# KiCad board FPGA_DevBoard.kicad_pcb (continued)
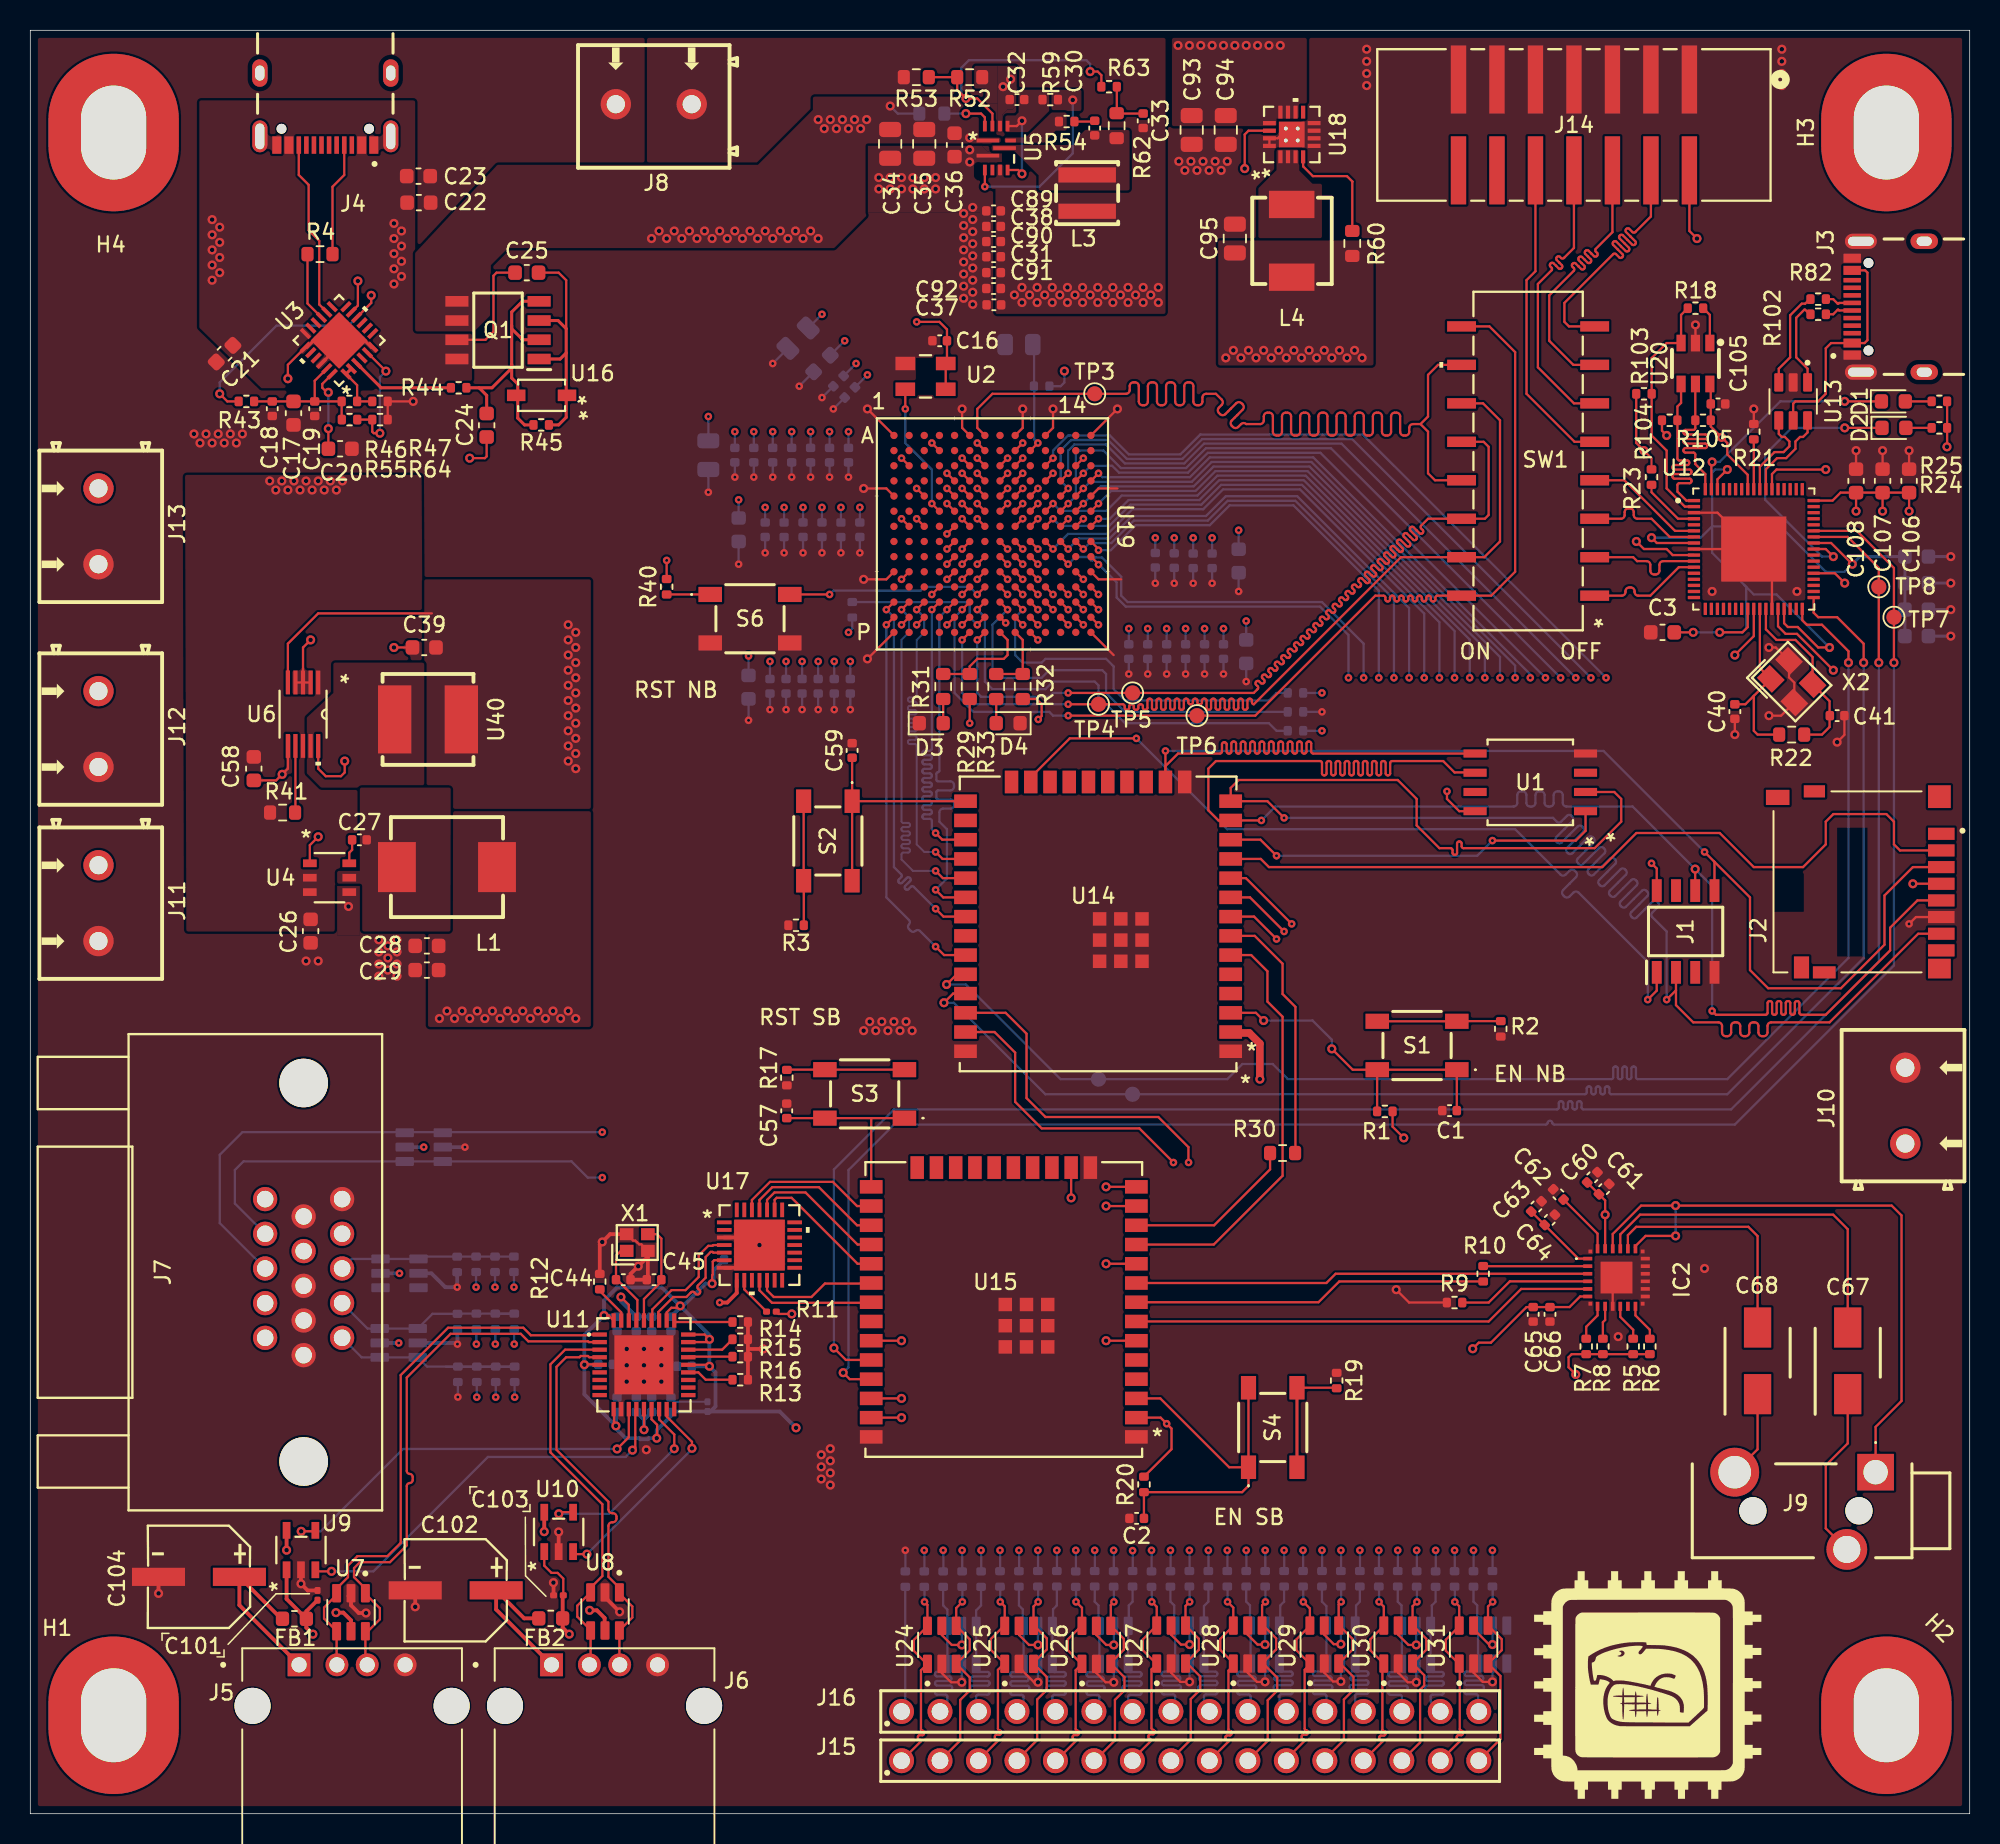
[diagram p0: board, top side]
## Routing (per net, layer and track width the routed paths; a pad name or vN(x,y) marks a point on that pad's centre or on a via; arc(x,y) is an arc through that point) (continued)
  Bottom signal w0.15: R83.2 91.52,14.97 v1(91.52,13.99)
/FPGA_UNIT_B/GPIO_OUT_14: length 13.4
  Top signal w0.15: 94.31,9.87 93.42,10.76 93.42,11.49 94.31,12.38 ; v1(94.02,13.99) 94.31,13.7 U31.6 ; U31.1 94.34,9.88 94.34,5.58 arc(94.37,5.51) 94.44,5.48 arc(94.51,5.45) 94.54,5.38 94.54,5.28 arc(94.51,5.21) 94.44,5.18 94.24,5.18 arc(94.17,5.15) 94.14,5.08 94.14,4.98 arc(94.17,4.91) 94.24,4.88 arc(94.31,4.85) 94.34,4.78 J15.15
  Bottom signal w0.15: v1(94.02,13.99) 94.02,14.97 R84.2
/FPGA_UNIT_B/GPIO_OUT_15: length 13.3
  Top signal w0.15: v1(96.52,13.99) 96.21,13.68 U31.4 ; 96.22,12.42 97.11,11.52 97.11,10.8 96.22,9.91 ; J15.16 97.03,4.93 97.03,9.09 U31.3
  Bottom signal w0.15: v1(96.52,13.99) 96.52,14.98 R85.2
/FPGA_UNIT_B/GPIO_OUT_17: length 13.9
  Bottom signal w0.15: R87.2 60.25,13.75 60.53,13.47 U21.4 U21.3 60.53,9.48 arc(60.49,9.4) 60.41,9.36 59.83,9.36 arc(59.75,9.33) 59.71,9.24 59.71,9.18 arc(59.75,9.1) 59.83,9.06 60.67,9.06 arc(60.75,9.03) 60.79,8.94 60.79,8.88 arc(60.75,8.8) 60.67,8.76 59.83,8.76 arc(59.75,8.73) 59.71,8.64 59.71,8.58 arc(59.75,8.5) 59.83,8.46 60.72,8.46 arc(60.8,8.43) 60.84,8.34 60.84,8.28 arc(60.8,8.2) 60.72,8.16 59.83,8.16 arc(59.75,8.13) 59.71,8.04 59.71,7.98 arc(59.75,7.9) 59.83,7.86 60.41,7.86 arc(60.49,7.83) 60.53,7.74 60.53,7.24 J16.2
/FPGA_UNIT_B/GPIO_OUT_18: length 14.6
  Bottom signal w0.15: R88.2 62.75,13.75 62.43,13.43 U21.6 U21.1 62.43,9.48 arc(62.46,9.4) 62.55,9.36 63.19,9.36 arc(63.28,9.33) 63.31,9.24 63.31,9.18 arc(63.28,9.1) 63.19,9.06 62.21,9.06 arc(62.12,9.03) 62.09,8.94 62.09,8.88 arc(62.12,8.8) 62.21,8.76 63.19,8.76 arc(63.28,8.73) 63.31,8.64 63.31,8.58 arc(63.28,8.5) 63.19,8.46 62.16,8.46 arc(62.07,8.43) 62.04,8.34 62.04,8.28 arc(62.07,8.2) 62.16,8.16 63.19,8.16 arc(63.28,8.13) 63.31,8.04 63.31,7.98 arc(63.28,7.9) 63.19,7.86 62.55,7.86 arc(62.46,7.83) 62.43,7.74 62.43,6.9 J16.3
/FPGA_UNIT_B/GPIO_OUT_19: length 14.6
  Bottom signal w0.15: R89.2 65.25,13.75 65.5,13.5 65.5,12.45 65.56,12.4 65.56,9.47 arc(65.52,9.38) 65.44,9.35 64.8,9.35 arc(64.71,9.31) 64.68,9.23 64.68,9.17 arc(64.71,9.08) 64.8,9.05 65.76,9.05 arc(65.85,9.01) 65.88,8.93 65.88,8.87 arc(65.85,8.78) 65.76,8.75 64.8,8.75 arc(64.71,8.71) 64.68,8.63 64.68,8.57 arc(64.71,8.48) 64.8,8.45 65.81,8.45 arc(65.9,8.41) 65.93,8.33 65.93,8.27 arc(65.9,8.18) 65.81,8.15 64.8,8.15 arc(64.71,8.11) 64.68,8.03 64.68,7.97 arc(64.71,7.88) 64.8,7.85 65.44,7.85 arc(65.52,7.81) 65.56,7.73 65.56,7.19 J16.4
/FPGA_UNIT_B/GPIO_OUT_20: length 14.6
  Bottom signal w0.15: J16.5 67.45,6.96 67.45,7.73 arc(67.49,7.82) 67.58,7.85 68.22,7.85 arc(68.31,7.89) 68.34,7.97 68.34,8.03 arc(68.31,8.12) 68.22,8.15 67.19,8.15 arc(67.1,8.19) 67.07,8.27 67.07,8.33 arc(67.1,8.42) 67.19,8.45 68.22,8.45 arc(68.31,8.49) 68.34,8.57 68.34,8.63 arc(68.31,8.72) 68.22,8.75 67.24,8.75 arc(67.15,8.79) 67.12,8.87 67.12,8.93 arc(67.15,9.02) 67.24,9.05 68.22,9.05 arc(68.31,9.09) 68.34,9.17 68.34,9.23 arc(68.31,9.32) 68.22,9.35 67.58,9.35 arc(67.49,9.39) 67.45,9.47 U22.1 U22.6 67.5,12.44 67.5,13.5 67.75,13.75 R90.2
/FPGA_UNIT_B/GPIO_OUT_21: length 14.2
  Bottom signal w0.15: R91.2 70.25,14 70.5,13.75 70.5,12.46 U23.4 U23.3 70.56,9.47 arc(70.52,9.38) 70.44,9.35 69.84,9.35 arc(69.75,9.31) 69.72,9.23 69.72,9.17 arc(69.75,9.08) 69.84,9.05 70.73,9.05 arc(70.81,9.01) 70.85,8.93 70.85,8.87 arc(70.81,8.78) 70.73,8.75 69.84,8.75 arc(69.75,8.71) 69.72,8.63 69.72,8.57 arc(69.75,8.48) 69.84,8.45 70.78,8.45 arc(70.86,8.41) 70.9,8.33 70.9,8.27 arc(70.86,8.18) 70.78,8.15 69.84,8.15 arc(69.75,8.11) 69.72,8.03 69.72,7.97 arc(69.75,7.88) 69.84,7.85 70.44,7.85 arc(70.52,7.81) 70.56,7.73 70.56,7.11 J16.6
/FPGA_UNIT_B/GPIO_OUT_22: length 14.6
  Bottom signal w0.15: J16.7 72.46,7.03 72.46,7.73 arc(72.49,7.82) 72.58,7.85 73.22,7.85 arc(73.31,7.89) 73.34,7.97 73.34,8.03 arc(73.31,8.12) 73.22,8.15 72.2,8.15 arc(72.11,8.19) 72.08,8.27 72.08,8.33 arc(72.11,8.42) 72.2,8.45 73.22,8.45 arc(73.31,8.49) 73.34,8.57 73.34,8.63 arc(73.31,8.72) 73.22,8.75 72.25,8.75 arc(72.16,8.79) 72.13,8.87 72.13,8.93 arc(72.16,9.02) 72.25,9.05 73.22,9.05 arc(73.31,9.09) 73.34,9.17 73.34,9.23 arc(73.31,9.32) 73.22,9.35 72.58,9.35 arc(72.49,9.39) 72.46,9.47 U23.1 U23.6 72.5,12.44 72.5,13.75 72.75,14 R92.2
/FPGA_UNIT_B/GPIO_OUT_23: length 14.6
  Bottom signal w0.15: R93.2 75.25,14 75.5,13.75 75.5,12.49 U32.4 U32.3 75.56,9.5 arc(75.53,9.41) 75.44,9.38 74.8,9.38 arc(74.72,9.34) 74.68,9.26 74.68,9.2 arc(74.72,9.11) 74.8,9.08 75.77,9.08 arc(75.86,9.04) 75.89,8.96 75.89,8.9 arc(75.86,8.81) 75.77,8.78 74.8,8.78 arc(74.72,8.74) 74.68,8.66 74.68,8.6 arc(74.72,8.51) 74.8,8.48 75.82,8.48 arc(75.91,8.44) 75.94,8.36 75.94,8.3 arc(75.91,8.21) 75.82,8.18 74.8,8.18 arc(74.72,8.14) 74.68,8.06 74.68,8 arc(74.72,7.91) 74.8,7.88 75.44,7.88 arc(75.53,7.84) 75.56,7.76 75.56,7.03 J16.8
/FPGA_UNIT_B/GPIO_OUT_24: length 14.6
  Bottom signal w0.15: R94.2 77.75,14 77.46,13.71 U32.6 U32.1 77.46,9.5 arc(77.5,9.41) 77.58,9.38 78.22,9.38 arc(78.3,9.34) 78.34,9.26 78.34,9.2 arc(78.3,9.11) 78.22,9.08 77.26,9.08 arc(77.17,9.04) 77.14,8.96 77.14,8.9 arc(77.17,8.81) 77.26,8.78 78.22,8.78 arc(78.3,8.74) 78.34,8.66 78.34,8.6 arc(78.3,8.51) 78.22,8.48 77.21,8.48 arc(77.12,8.44) 77.09,8.36 77.09,8.3 arc(77.12,8.21) 77.21,8.18 78.22,8.18 arc(78.3,8.14) 78.34,8.06 78.34,8 arc(78.3,7.91) 78.22,7.88 77.58,7.88 arc(77.5,7.84) 77.46,7.76 77.46,7.11 J16.9
/FPGA_UNIT_B/GPIO_OUT_25: length 14.4
  Bottom signal w0.15: J16.10 80.54,6.93 80.54,7.75 arc(80.51,7.84) 80.42,7.87 79.79,7.87 arc(79.71,7.91) 79.67,7.99 79.67,8.05 arc(79.71,8.14) 79.79,8.17 80.79,8.17 arc(80.88,8.21) 80.91,8.29 80.91,8.35 arc(80.88,8.44) 80.79,8.47 79.79,8.47 arc(79.71,8.51) 79.67,8.59 79.67,8.65 arc(79.71,8.74) 79.79,8.77 80.74,8.77 arc(80.83,8.81) 80.86,8.89 80.86,8.95 arc(80.83,9.04) 80.74,9.07 79.79,9.07 arc(79.71,9.11) 79.67,9.19 79.67,9.25 arc(79.71,9.34) 79.79,9.37 80.42,9.37 arc(80.51,9.41) 80.54,9.49 U33.3 U33.4 80.5,12.46 80.5,13.75 80.25,14 R95.2
/FPGA_UNIT_B/GPIO_OUT_26: length 14.6
  Bottom signal w0.15: R96.2 82.75,14 82.5,13.75 82.5,12.48 U33.6 U33.1 82.44,9.51 arc(82.48,9.42) 82.56,9.39 83.19,9.39 arc(83.28,9.35) 83.31,9.27 83.31,9.21 arc(83.28,9.12) 83.19,9.09 82.24,9.09 arc(82.15,9.05) 82.12,8.97 82.12,8.91 arc(82.15,8.82) 82.24,8.79 83.19,8.79 arc(83.28,8.75) 83.31,8.67 83.31,8.61 arc(83.28,8.52) 83.19,8.49 82.19,8.49 arc(82.1,8.45) 82.07,8.37 82.07,8.31 arc(82.1,8.22) 82.19,8.19 83.19,8.19 arc(83.28,8.15) 83.31,8.07 83.31,8.01 arc(83.28,7.92) 83.19,7.89 82.56,7.89 arc(82.48,7.85) 82.44,7.77 82.44,7.21 J16.11
/FPGA_UNIT_B/GPIO_OUT_27: length 14.5
  Bottom signal w0.15: R97.2 85.25,14 85.54,13.71 U34.4 U34.3 85.54,9.51 arc(85.51,9.43) 85.42,9.39 84.78,9.39 arc(84.7,9.36) 84.66,9.27 84.66,9.21 arc(84.7,9.13) 84.78,9.09 85.76,9.09 arc(85.84,9.06) 85.88,8.97 85.88,8.91 arc(85.84,8.83) 85.76,8.79 84.78,8.79 arc(84.7,8.76) 84.66,8.67 84.66,8.61 arc(84.7,8.53) 84.78,8.49 85.81,8.49 arc(85.89,8.46) 85.93,8.37 85.93,8.31 arc(85.89,8.23) 85.81,8.19 84.78,8.19 arc(84.7,8.16) 84.66,8.07 84.66,8.01 arc(84.7,7.93) 84.78,7.89 85.42,7.89 arc(85.51,7.86) 85.54,7.77 85.54,6.85 J16.12
/FPGA_UNIT_B/GPIO_OUT_28: length 14.5
  Bottom signal w0.15: R98.2 87.75,14 87.5,13.75 87.5,12.48 U34.6 U34.1 87.44,9.53 arc(87.48,9.44) 87.56,9.41 88.19,9.41 arc(88.28,9.37) 88.31,9.29 88.31,9.23 arc(88.28,9.14) 88.19,9.11 87.25,9.11 arc(87.16,9.07) 87.13,8.99 87.13,8.93 arc(87.16,8.84) 87.25,8.81 88.19,8.81 arc(88.28,8.77) 88.31,8.69 88.31,8.63 arc(88.28,8.54) 88.19,8.51 87.2,8.51 arc(87.11,8.47) 87.08,8.39 87.08,8.33 arc(87.11,8.24) 87.2,8.21 88.19,8.21 arc(88.28,8.17) 88.31,8.09 88.31,8.03 arc(88.28,7.94) 88.19,7.91 87.56,7.91 arc(87.48,7.87) 87.44,7.79 87.44,7.29 J16.13
/FPGA_UNIT_B/GPIO_OUT_29: length 14.5
  Bottom signal w0.15: R99.2 90.25,14 90.5,13.75 90.5,12.42 U35.4 U35.3 90.52,9.47 arc(90.49,9.39) 90.4,9.35 89.76,9.35 arc(89.67,9.32) 89.64,9.23 89.64,9.17 arc(89.67,9.09) 89.76,9.05 90.74,9.05 arc(90.83,9.02) 90.86,8.93 90.86,8.87 arc(90.83,8.79) 90.74,8.75 89.76,8.75 arc(89.67,8.72) 89.64,8.63 89.64,8.57 arc(89.67,8.49) 89.76,8.45 90.79,8.45 arc(90.88,8.42) 90.91,8.33 90.91,8.27 arc(90.88,8.19) 90.79,8.15 89.76,8.15 arc(89.67,8.12) 89.64,8.03 89.64,7.97 arc(89.67,7.89) 89.76,7.85 90.4,7.85 arc(90.49,7.82) 90.52,7.73 90.52,6.75 J16.14
/FPGA_UNIT_B/GPIO_OUT_30: length 14.5
  Bottom signal w0.15: J16.15 92.42,7.39 92.42,7.74 arc(92.46,7.83) 92.54,7.86 93.16,7.86 arc(93.25,7.9) 93.28,7.98 93.28,8.04 arc(93.25,8.13) 93.16,8.16 92.18,8.16 arc(92.1,8.2) 92.06,8.28 92.06,8.34 arc(92.1,8.43) 92.18,8.46 93.16,8.46 arc(93.25,8.5) 93.28,8.58 93.28,8.64 arc(93.25,8.73) 93.16,8.76 92.23,8.76 arc(92.15,8.8) 92.11,8.88 92.11,8.94 arc(92.15,9.03) 92.23,9.06 93.16,9.06 arc(93.25,9.1) 93.28,9.18 93.28,9.24 arc(93.25,9.33) 93.16,9.36 92.54,9.36 arc(92.46,9.4) 92.42,9.48 U35.1 U35.6 92.5,12.48 92.5,13.75 92.75,14 R100.2
/FPGA_UNIT_B/GPIO_OUT_31: length 14.5
  Bottom signal w0.15: R101.2 95.25,14 95.5,13.75 95.5,12.48 U36.4 U36.3 95.55,9.51 arc(95.52,9.42) 95.43,9.39 94.79,9.39 arc(94.7,9.35) 94.67,9.27 94.67,9.21 arc(94.7,9.12) 94.79,9.09 95.77,9.09 arc(95.85,9.05) 95.89,8.97 95.89,8.91 arc(95.85,8.82) 95.77,8.79 94.79,8.79 arc(94.7,8.75) 94.67,8.67 94.67,8.61 arc(94.7,8.52) 94.79,8.49 95.82,8.49 arc(95.9,8.45) 95.94,8.37 95.94,8.31 arc(95.9,8.22) 95.82,8.19 94.79,8.19 arc(94.7,8.15) 94.67,8.07 94.67,8.01 arc(94.7,7.92) 94.79,7.89 95.43,7.89 arc(95.52,7.85) 95.55,7.77 95.55,6.8 J16.16
/FPGA_UNIT_B/Green: length 13.7
  Bottom signal w0.15: R49.2 R48.2 28.2,33.02 R56.1 26.54,33.01 U37.1 U37.6 22.26,32.03 J7.2
/FPGA_UNIT_B/HSYNC: length 111.9
  Top signal w0.15: U19.P10 v1(66.5,77.5)
  Top PWR w0.15: v1(66.5,77.5) 66.5,75.25 61.48,70.23 61.48,68.31 arc(61.52,68.2) 61.64,68.15 61.71,68.15 arc(61.83,68.1) 61.87,67.99 61.87,67.91 arc(61.83,67.8) 61.71,67.75 61.24,67.75 arc(61.13,67.7) 61.08,67.59 61.08,67.51 arc(61.13,67.4) 61.24,67.35 61.71,67.35 arc(61.83,67.3) 61.87,67.19 61.87,67.11 arc(61.83,67) 61.71,66.95 61.24,66.95 arc(61.13,66.9) 61.08,66.79 61.08,66.71 arc(61.13,66.6) 61.24,66.55 61.71,66.55 arc(61.83,66.5) 61.87,66.39 61.87,66.31 arc(61.83,66.2) 61.71,66.15 61.24,66.15 arc(61.13,66.1) 61.08,65.99 61.08,65.91 arc(61.13,65.8) 61.24,65.75 61.71,65.75 arc(61.83,65.7) 61.87,65.59 61.87,65.51 arc(61.83,65.4) 61.71,65.35 61.24,65.35 arc(61.13,65.3) 61.08,65.19 61.08,65.11 arc(61.13,65) 61.24,64.95 61.71,64.95 arc(61.83,64.9) 61.87,64.79 61.87,64.71 arc(61.83,64.6) 61.71,64.55 61.24,64.55 arc(61.13,64.5) 61.08,64.39 61.08,64.31 arc(61.13,64.2) 61.24,64.15 61.71,64.15 arc(61.83,64.1) 61.87,63.99 61.87,63.91 arc(61.83,63.8) 61.71,63.75 61.24,63.75 arc(61.13,63.7) 61.08,63.59 61.08,63.51 arc(61.13,63.4) 61.24,63.35 61.71,63.35 arc(61.83,63.3) 61.87,63.19 61.87,63.11 arc(61.83,63) 61.71,62.95 61.24,62.95 arc(61.13,62.9) 61.08,62.79 61.08,62.71 arc(61.13,62.6) 61.24,62.55 61.71,62.55 arc(61.83,62.5) 61.87,62.39 61.87,62.31 arc(61.83,62.2) 61.71,62.15 61.24,62.15 arc(61.13,62.1) 61.08,61.99 61.08,61.91 arc(61.13,61.8) 61.24,61.75 61.71,61.75 arc(61.83,61.7) 61.87,61.59 61.87,61.51 arc(61.83,61.4) 61.71,61.35 61.24,61.35 arc(61.13,61.3) 61.08,61.19 61.08,61.11 arc(61.13,61) 61.24,60.95 61.71,60.95 arc(61.83,60.9) 61.87,60.79 61.87,60.71 arc(61.83,60.6) 61.71,60.55 61.24,60.55 arc(61.13,60.5) 61.08,60.39 61.08,60.31 arc(61.13,60.2) 61.24,60.15 61.71,60.15 arc(61.83,60.1) 61.87,59.99 61.87,59.91 arc(61.83,59.8) 61.71,59.75 61.24,59.75 arc(61.13,59.7) 61.08,59.59 61.08,59.51 arc(61.13,59.4) 61.24,59.35 61.71,59.35 arc(61.83,59.3) 61.87,59.19 61.87,59.11 arc(61.83,59) 61.71,58.95 61.24,58.95 arc(61.13,58.9) 61.08,58.79 61.08,58.71 arc(61.13,58.6) 61.24,58.55 61.71,58.55 arc(61.83,58.5) 61.87,58.39 61.87,58.31 arc(61.83,58.2) 61.71,58.15 61.24,58.15 arc(61.13,58.1) 61.08,57.99 61.08,57.91 arc(61.13,57.8) 61.24,57.75 61.71,57.75 arc(61.83,57.7) 61.87,57.59 61.87,57.51 arc(61.83,57.4) 61.71,57.35 61.24,57.35 arc(61.13,57.3) 61.08,57.19 61.08,57.11 arc(61.13,57) 61.24,56.95 61.71,56.95 arc(61.83,56.9) 61.87,56.79 61.87,56.71 arc(61.83,56.6) 61.71,56.55 61.24,56.55 arc(61.13,56.5) 61.08,56.39 61.08,56.31 arc(61.13,56.2) 61.24,56.15 61.71,56.15 arc(61.83,56.1) 61.87,55.99 61.87,55.91 arc(61.83,55.8) 61.71,55.75 61.24,55.75 arc(61.13,55.7) 61.08,55.59 61.08,55.51 arc(61.13,55.4) 61.24,55.35 61.71,55.35 arc(61.83,55.3) 61.87,55.19 61.87,55.11 arc(61.83,55) 61.71,54.95 61.24,54.95 arc(61.13,54.9) 61.08,54.79 61.08,54.71 arc(61.13,54.6) 61.24,54.55 61.71,54.55 arc(61.83,54.5) 61.87,54.39 61.87,54.31 arc(61.83,54.2) 61.71,54.15 61.64,54.15 arc(61.52,54.1) 61.48,53.99 61.48,52.8 53.68,45 v1(37.75,45)
  Bottom signal w0.15: J7.13 12.5,39 12.5,43.5 14,45 v1(37.75,45)
/FPGA_UNIT_B/Red: length 16.7
  Bottom signal w0.15: 27.45,29.52 R57.2 R65.1 26.18,29.52 U37.3 U37.4 21.87,30.13 J7.1
/FPGA_UNIT_B/VSYNC: length 117.9
  Top signal w0.15: U19.N14 v1(70.5,78.5)
  Top PWR w0.15: v1(70.5,78.5) 70.5,75.5 69.89,74.89 69.89,68.9 arc(69.94,68.79) 70.05,68.74 70.12,68.74 arc(70.24,68.69) 70.28,68.58 70.28,68.5 arc(70.24,68.39) 70.12,68.34 69.65,68.34 arc(69.54,68.29) 69.49,68.18 69.49,68.1 arc(69.54,67.99) 69.65,67.94 70.12,67.94 arc(70.24,67.89) 70.28,67.78 70.28,67.7 arc(70.24,67.59) 70.12,67.54 69.65,67.54 arc(69.54,67.49) 69.49,67.38 69.49,67.3 arc(69.54,67.19) 69.65,67.14 70.12,67.14 arc(70.24,67.09) 70.28,66.98 70.28,66.9 arc(70.24,66.79) 70.12,66.74 69.65,66.74 arc(69.54,66.69) 69.49,66.58 69.49,66.5 arc(69.54,66.39) 69.65,66.34 70.12,66.34 arc(70.24,66.29) 70.28,66.18 70.28,66.1 arc(70.24,65.99) 70.12,65.94 69.65,65.94 arc(69.54,65.89) 69.49,65.78 69.49,65.7 arc(69.54,65.59) 69.65,65.54 70.12,65.54 arc(70.24,65.49) 70.28,65.38 70.28,65.3 arc(70.24,65.19) 70.12,65.14 69.65,65.14 arc(69.54,65.09) 69.49,64.98 69.49,64.9 arc(69.54,64.79) 69.65,64.74 70.12,64.74 arc(70.24,64.69) 70.28,64.58 70.28,64.5 arc(70.24,64.39) 70.12,64.34 69.65,64.34 arc(69.54,64.29) 69.49,64.18 69.49,64.1 arc(69.54,63.99) 69.65,63.94 70.12,63.94 arc(70.24,63.89) 70.28,63.78 70.28,63.7 arc(70.24,63.59) 70.12,63.54 69.65,63.54 arc(69.54,63.49) 69.49,63.38 69.49,63.3 arc(69.54,63.19) 69.65,63.14 70.12,63.14 arc(70.24,63.09) 70.28,62.98 70.28,62.9 arc(70.24,62.79) 70.12,62.74 69.65,62.74 arc(69.54,62.69) 69.49,62.58 69.49,62.5 arc(69.54,62.39) 69.65,62.34 70.12,62.34 arc(70.24,62.29) 70.28,62.18 70.28,62.1 arc(70.24,61.99) 70.12,61.94 69.65,61.94 arc(69.54,61.89) 69.49,61.78 69.49,61.7 arc(69.54,61.59) 69.65,61.54 70.12,61.54 arc(70.24,61.49) 70.28,61.38 70.28,61.3 arc(70.24,61.19) 70.12,61.14 69.65,61.14 arc(69.54,61.09) 69.49,60.98 69.49,60.9 arc(69.54,60.79) 69.65,60.74 70.12,60.74 arc(70.24,60.69) 70.28,60.58 70.28,60.5 arc(70.24,60.39) 70.12,60.34 69.65,60.34 arc(69.54,60.29) 69.49,60.18 69.49,60.1 arc(69.54,59.99) 69.65,59.94 70.12,59.94 arc(70.24,59.89) 70.28,59.78 70.28,59.7 arc(70.24,59.59) 70.12,59.54 69.65,59.54 arc(69.54,59.49) 69.49,59.38 69.49,59.3 arc(69.54,59.19) 69.65,59.14 70.12,59.14 arc(70.24,59.09) 70.28,58.98 70.28,58.9 arc(70.24,58.79) 70.12,58.74 69.65,58.74 arc(69.54,58.69) 69.49,58.58 69.49,58.5 arc(69.54,58.39) 69.65,58.34 70.12,58.34 arc(70.24,58.29) 70.28,58.18 70.28,58.1 arc(70.24,57.99) 70.12,57.94 69.65,57.94 arc(69.54,57.89) 69.49,57.78 69.49,57.7 arc(69.54,57.59) 69.65,57.54 70.12,57.54 arc(70.24,57.49) 70.28,57.38 70.28,57.3 arc(70.24,57.19) 70.12,57.14 69.65,57.14 arc(69.54,57.09) 69.49,56.98 69.49,56.9 arc(69.54,56.79) 69.65,56.74 70.12,56.74 arc(70.24,56.69) 70.28,56.58 70.28,56.5 arc(70.24,56.39) 70.12,56.34 69.65,56.34 arc(69.54,56.29) 69.49,56.18 69.49,56.1 arc(69.54,55.99) 69.65,55.94 70.12,55.94 arc(70.24,55.89) 70.28,55.78 70.28,55.7 arc(70.24,55.59) 70.12,55.54 69.65,55.54 arc(69.54,55.49) 69.49,55.38 69.49,55.3 arc(69.54,55.19) 69.65,55.14 70.12,55.14 arc(70.24,55.09) 70.28,54.98 70.28,54.9 arc(70.24,54.79) 70.12,54.74 69.65,54.74 arc(69.54,54.69) 69.49,54.58 69.49,54.5 arc(69.54,54.39) 69.65,54.34 69.73,54.34 arc(69.84,54.29) 69.89,54.18 69.89,50.67 61.22,42 v1(37.75,42)
  Bottom signal w0.15: J7.14 13.5,40.29 13.5,42.5 14.07,43.07 35.72,43.07 36.79,42 v1(37.75,42)
/NorthBridge/EN: length 22.3
  Top signal w0.15: v2(85.9,50.5) 87.28,49.12 S1.2 ; U14.3 80.89,52.88 v2(81.4,52.37) ; S1.2 88.89,49.11 R1.2 ; S1.2 S1.1 C1.1
  Bottom signal w0.15: v2(85.9,50.5) 85.9,51.1 84.63,52.37 v2(81.4,52.37)
/NorthBridge/HSPI_CLK: length 110.8
  Top signal w0.15: 126.5,60.3 124.55,60.3 122.75,58.5 122.75,57 118.5,52.75 116.88,52.75 arc(116.79,52.79) 116.76,52.87 116.76,53.53 arc(116.72,53.62) 116.64,53.65 116.58,53.65 arc(116.49,53.62) 116.46,53.53 116.46,52.87 arc(116.42,52.79) 116.34,52.75 116.28,52.75 arc(116.19,52.79) 116.16,52.87 116.16,53.53 arc(116.12,53.62) 116.04,53.65 115.98,53.65 arc(115.89,53.62) 115.86,53.53 115.86,52.87 arc(115.82,52.79) 115.74,52.75 115.68,52.75 arc(115.59,52.79) 115.56,52.87 115.56,53.53 arc(115.52,53.62) 115.44,53.65 115.38,53.65 arc(115.29,53.62) 115.26,53.53 115.26,52.87 arc(115.22,52.79) 115.14,52.75 115.08,52.75 arc(114.99,52.79) 114.96,52.87 114.96,53.53 arc(114.92,53.62) 114.84,53.65 114.78,53.65 arc(114.69,53.62) 114.66,53.53 114.66,52.87 arc(114.62,52.79) 114.54,52.75 111.25,52.75 v1(111,53) ; U1.6 95.34,68.75 94,68.75 93.25,69.5 89.87,69.5 arc(89.79,69.46) 89.75,69.38 89.75,68.68 arc(89.72,68.6) 89.63,68.56 89.57,68.56 arc(89.49,68.6) 89.45,68.68 89.45,69.38 arc(89.42,69.46) 89.33,69.5 89.27,69.5 arc(89.19,69.46) 89.15,69.38 89.15,68.68 arc(89.12,68.6) 89.03,68.56 88.97,68.56 arc(88.89,68.6) 88.85,68.68 88.85,69.38 arc(88.82,69.46) 88.73,69.5 88.67,69.5 arc(88.59,69.46) 88.55,69.38 88.55,68.68 arc(88.52,68.6) 88.43,68.56 88.37,68.56 arc(88.29,68.6) 88.25,68.68 88.25,69.38 arc(88.22,69.46) 88.13,69.5 88.07,69.5 arc(87.99,69.46) 87.95,69.38 87.95,68.68 arc(87.92,68.6) 87.83,68.56 87.77,68.56 arc(87.69,68.6) 87.65,68.68 87.65,69.38 arc(87.62,69.46) 87.53,69.5 87.47,69.5 arc(87.39,69.46) 87.35,69.38 87.35,68.68 arc(87.32,68.6) 87.23,68.56 87.17,68.56 arc(87.09,68.6) 87.05,68.68 87.05,69.38 arc(87.02,69.46) 86.93,69.5 86.87,69.5 arc(86.79,69.46) 86.75,69.38 86.75,68.68 arc(86.72,68.6) 86.63,68.56 86.57,68.56 arc(86.49,68.6) 86.45,68.68 86.45,69.38 arc(86.42,69.46) 86.33,69.5 86.27,69.5 arc(86.19,69.46) 86.15,69.38 86.15,68.68 arc(86.12,68.6) 86.03,68.56 85.97,68.56 arc(85.89,68.6) 85.85,68.68 85.85,69.38 arc(85.82,69.46) 85.73,69.5 85.67,69.5 arc(85.59,69.46) 85.55,69.38 85.55,68.68 arc(85.52,68.6) 85.43,68.56 85.37,68.56 arc(85.29,68.6) 85.25,68.68 85.25,69.38 arc(85.22,69.46) 85.13,69.5 78.25,69.5 77.75,69 77.75,66.25 78.42,65.58 U14.13 v1(81.25,65.58) ; J1.6 109.88,60.95 v2(109.88,62.37)
  Bottom signal w0.15: v1(111,53) 111,61.25 v2(109.88,62.37) 105.75,66.5 101.38,66.5 arc(101.21,66.57) 101.14,66.74 101.14,67.26 arc(101.07,67.43) 100.9,67.5 100.78,67.5 arc(100.61,67.43) 100.54,67.26 100.54,66.74 arc(100.47,66.57) 100.3,66.5 100.18,66.5 arc(100.01,66.57) 99.94,66.74 99.94,67.26 arc(99.87,67.43) 99.7,67.5 99.58,67.5 arc(99.41,67.43) 99.34,67.26 99.34,66.74 arc(99.27,66.57) 99.1,66.5 98.98,66.5 arc(98.81,66.57) 98.74,66.74 98.74,67.26 arc(98.67,67.43) 98.5,67.5 98.38,67.5 arc(98.21,67.43) 98.14,67.26 98.14,66.74 arc(98.07,66.57) 97.9,66.5 82.17,66.5 v1(81.25,65.58)
/NorthBridge/HSPI_CS_FL: length 25.8
  Top signal w0.15: U14.12 81.19,64.31 v1(82.25,63.25) ; U1.1 102.64,64.89 102,64.25 v1(96.5,64.25)
  Bottom signal w0.15: v1(96.5,64.25) 95.5,63.25 v1(82.25,63.25)
/NorthBridge/HSPI_CS_PS: length 55.5
  Top signal w0.15: U14.23 66.03,68.42 68.61,71 v1(73,71) ; J1.1 107.34,54.34 v1(106.75,53.75)
  Bottom signal w0.15: v1(73,71) 79,65 98,65 101,62 arc(101.17,61.93) 101.34,62 101.59,62.26 arc(101.76,62.33) 101.93,62.26 102.02,62.18 arc(102.09,62.01) 102.02,61.84 101.16,60.98 arc(101.09,60.81) 101.16,60.64 101.25,60.56 arc(101.42,60.49) 101.59,60.56 101.85,60.82 arc(102.02,60.89) 102.18,60.82 106.75,56.25 v1(106.75,53.75)
/NorthBridge/HSPI_CS_SD: length 53.6
  Top signal w0.15: U14.11 81.21,63.04 81.75,62.5 103.75,62.5 106,64.75 111.5,64.75 113.75,62.5 117,62.5 118.5,64 118.5,65.5 119,66 122.5,66 123,65.5 123,64 123.4,63.6 126.5,63.6
/NorthBridge/HSPI_MISO: length 130.2
  Top signal w0.15: 108.62,54.36 108.62,53.39 109.75,52.25 111.41,52.25 arc(111.58,52.18) 111.65,52.01 111.65,51.58 arc(111.73,51.41) 111.89,51.34 112.01,51.34 arc(112.18,51.41) 112.25,51.58 112.25,52.01 arc(112.33,52.18) 112.49,52.25 112.61,52.25 arc(112.78,52.18) 112.85,52.01 112.85,51.58 arc(112.93,51.41) 113.09,51.34 113.21,51.34 arc(113.38,51.41) 113.45,51.58 113.45,52.01 arc(113.53,52.18) 113.69,52.25 113.81,52.25 arc(113.98,52.18) 114.05,52.01 114.05,51.58 arc(114.13,51.41) 114.29,51.34 114.41,51.34 arc(114.58,51.41) 114.65,51.58 114.65,52.01 arc(114.73,52.18) 114.89,52.25 118.75,52.25 124.6,58.1 126.5,58.1 ; 108.62,54.36 J1.2 ; 108.62,54.36 v1(108,53.75) ; U1.2 104.54,67.46 105,67 105,65.5 103.25,63.75 94.59,63.75 arc(94.5,63.79) 94.47,63.87 94.47,64.07 arc(94.43,64.15) 94.35,64.19 94.29,64.19 arc(94.2,64.15) 94.17,64.07 94.17,63.43 arc(94.13,63.35) 94.05,63.31 93.99,63.31 arc(93.9,63.35) 93.87,63.43 93.87,63.63 arc(93.83,63.71) 93.75,63.75 93,63.75 91.5,65.25 91.5,67 90.25,68.25 79.75,68.25 79.22,67.72 U14.14 81.65,66.85 v1(82.75,65.75)
  Bottom signal w0.15: v1(82.75,65.75) 100.5,65.75 100.75,65.5 arc(100.89,65.44) 101.03,65.5 101.42,65.89 arc(101.56,65.95) 101.71,65.89 101.78,65.82 arc(101.84,65.68) 101.78,65.54 100.71,64.47 arc(100.65,64.33) 100.71,64.19 100.78,64.12 arc(100.93,64.06) 101.07,64.12 102.13,65.18 arc(102.27,65.24) 102.41,65.18 102.48,65.11 arc(102.54,64.97) 102.48,64.83 101.42,63.77 arc(101.36,63.62) 101.42,63.48 101.49,63.41 arc(101.63,63.35) 101.77,63.41 102.84,64.48 arc(102.98,64.53) 103.12,64.48 103.19,64.41 arc(103.25,64.26) 103.19,64.12 102.13,63.06 arc(102.07,62.92) 102.13,62.78 102.2,62.71 arc(102.34,62.65) 102.48,62.71 103.54,63.77 arc(103.69,63.83) 103.83,63.77 103.9,63.7 arc(103.96,63.56) 103.9,63.42 102.83,62.35 arc(102.78,62.21) 102.83,62.07 102.91,62 arc(103.05,61.94) 103.19,62 104.25,63.06 arc(104.39,63.12) 104.53,63.06 104.61,62.99 arc(104.66,62.85) 104.61,62.71 103.54,61.64 arc(103.48,61.5) 103.54,61.36 103.61,61.29 arc(103.75,61.23) 103.9,61.29 104.96,62.35 arc(105.1,62.41) 105.24,62.35 105.31,62.28 arc(105.37,62.14) 105.31,62 104.25,60.94 arc(104.19,60.8) 104.25,60.65 104.32,60.58 arc(104.46,60.53) 104.6,60.58 105.67,61.65 arc(105.81,61.71) 105.95,61.65 106.02,61.58 arc(106.08,61.44) 106.02,61.29 104.96,60.23 arc(104.9,60.09) 104.96,59.95 105.03,59.88 arc(105.17,59.82) 105.31,59.88 106.37,60.94 arc(106.51,61) 106.66,60.94 106.73,60.87 arc(106.79,60.73) 106.73,60.59 105.66,59.52 arc(105.6,59.38) 105.66,59.24 105.73,59.17 arc(105.87,59.11) 106.02,59.17 107.08,60.23 arc(107.22,60.29) 107.36,60.23 107.43,60.16 arc(107.49,60.02) 107.43,59.88 107.04,59.49 arc(106.98,59.35) 107.04,59.21 108,58.25 v1(108,53.75)
/NorthBridge/HSPI_MOSI: length 105.1
  Top signal w0.15: 111.12,62.88 v1(110.5,63.5) ; 111.12,62.88 111.16,62.84 J1.5 ; 111.12,62.88 113.5,60.5 113.5,55.7 114.7,54.5 119.5,54.5 122.38,57.38 122.38,60.62 124.25,62.5 126.5,62.5 ; 95,70 84.66,70 arc(84.58,70.04) 84.54,70.12 84.54,70.66 arc(84.5,70.75) 84.42,70.79 84.35,70.79 arc(84.27,70.75) 84.23,70.66 84.23,70.12 arc(84.19,70.04) 84.11,70 84.04,70 arc(83.96,70.04) 83.92,70.12 83.92,70.66 arc(83.88,70.75) 83.8,70.79 83.73,70.79 arc(83.65,70.75) 83.61,70.66 83.61,70.12 arc(83.57,70.04) 83.49,70 83.42,70 arc(83.34,70.04) 83.3,70.12 83.3,70.66 arc(83.26,70.75) 83.18,70.79 83.11,70.79 arc(83.03,70.75) 82.99,70.66 82.99,70.12 arc(82.95,70.04) 82.87,70 82.8,70 arc(82.72,70.04) 82.68,70.12 82.68,70.66 arc(82.64,70.75) 82.56,70.79 82.49,70.79 arc(82.41,70.75) 82.37,70.66 82.37,70.12 arc(82.33,70.04) 82.25,70 82.18,70 arc(82.1,70.04) 82.06,70.12 82.06,70.66 arc(82.02,70.75) 81.94,70.79 81.87,70.79 arc(81.79,70.75) 81.75,70.66 81.75,70.12 arc(81.71,70.04) 81.63,70 81.56,70 arc(81.48,70.04) 81.44,70.12 81.44,70.66 arc(81.4,70.75) 81.32,70.79 81.25,70.79 arc(81.17,70.75) 81.13,70.66 81.13,70.12 arc(81.09,70.04) 81.01,70 80.94,70 arc(80.86,70.04) 80.82,70.12 80.82,70.66 arc(80.78,70.75) 80.7,70.79 80.63,70.79 arc(80.55,70.75) 80.51,70.66 80.51,70.12 arc(80.47,70.04) 80.39,70 80.32,70 arc(80.24,70.04) 80.2,70.12 80.2,70.66 arc(80.16,70.75) 80.08,70.79 80.01,70.79 arc(79.93,70.75) 79.89,70.66 79.89,70.12 arc(79.85,70.04) 79.77,70 79.7,70 arc(79.62,70.04) 79.58,70.12 79.58,70.66 arc(79.54,70.75) 79.46,70.79 79.39,70.79 arc(79.31,70.75) 79.27,70.66 79.27,70.12 arc(79.23,70.04) 79.15,70 79.08,70 arc(79,70.04) 78.96,70.12 78.96,70.61 arc(78.92,70.7) 78.84,70.74 78.77,70.74 arc(78.69,70.7) 78.65,70.61 78.65,70.12 arc(78.61,70.04) 78.53,70 75.75,70 74.92,69.17 U14.16 v1(74.92,70.17)
  Bottom signal w0.15: v1(74.92,70.17) 103.83,70.17 v1(110.5,63.5)
/NorthBridge/Rst: length 15.6
  Top signal w0.15: U14.25 S2.1 ; S2.1 S2.2 ; S2.1 C59.1
/Power/CC1: length 7.5
  Top signal w0.15: J4.A5 20.72,108.2 19.95,107.42 R4.1
/Power/CC2: length 11.8
  Top signal w0.15: U3.14 19.07,99.65 19.07,103.85 18.37,104.55 18.37,107.55 17.72,108.2 J4.B5
/Power/ICFB: length 8.3
  Top signal w0.15: U3.5 v2(23.47,95.25) ; v2(23.07,91.15) 22.67,91.15 22.57,91.25 R64.1 R55.2
  Bottom signal w0.15: v2(23.47,95.25) 23.07,94.85 v2(23.07,91.15)
/Power/VFB: length 3.5
  Top signal w0.15: 21.57,93.35 21.57,94.32 U3.1 ; R46.2 R47.1
  Top signal w0.2: U3.1 U3.2
/SouthBridge/BCLK: length 6.9
  Top signal w0.15: IC2.2 95.9,36.15
/SouthBridge/COM: length 43.9
  Top signal w0.15: IC2.19 105.94,37.48 106.61,38.15 v2(108.59,38.15) ; IC2.22 104.44,38.27 106.31,40.15 v2(108.59,40.15) 122.85,40.15 123.5,39.5 123.5,27.25 121.79,25.54 J9.1
  Top signal w0.2: 105.93,37.38 105.93,37.4
  Bottom signal w0.15: v2(108.59,40.15) v2(108.59,38.15)
/SouthBridge/DIN: length 30.7
  Top signal w0.15: U15.7 96.25,32.5 98.4,34.65 IC2.5
/SouthBridge/EN: length 24.6
  Top signal w0.15: S4.1 80.4,21.65 79.98,21.23 R20.2 C2.1 ; S4.1 S4.2 ; S4.1 79.12,22.88 74.58,27.42 U15.3
/SouthBridge/FSYNC: length 30
  Top signal w0.15: IC2.3 86.15,35.65 85.54,35.04 U15.9
/SouthBridge/OUTP1: length 16
  Top signal w0.15: IC2.20 105.44,38.2 105.99,38.75 113.39,38.75 114,38.14 C68.2
/SouthBridge/OUTP2: length 23.4
  Top signal w0.15: C67.2 119.95,38.59 118.99,39.55 106.24,39.55 104.94,38.25 IC2.21
/SouthBridge/Rst: length 12.3
  Top signal w0.15: 55.49,45.93 55.5,45.92 U15.25 ; 55.49,45.93 S3.1 ; 55.49,45.93 S3.2 C57.1
/USB_HUB/CFG_SEL0: length 2.9
  Top signal w0.15: R16.1 43.47,30.18 U11.24
/USB_HUB/CFG_SEL1: length 3.2
  Top signal w0.15: R15.1 45.66,30.64 U11.25
/USB_HUB/CRFILT: length 3.5
  Top signal w0.15: v2(40.5,25.35) 40.5,26.71 40.5,26.71
  Bottom signal w0.25: 40.5,26.02 v2(40.5,25.35) ; 40.5,26.02 C50.1 ; 40.5,26.02 C52.1
/USB_HUB/NON_REM0: length 3.9
  Top signal w0.15: R14.1 42.6,32.46 U11.28
/USB_HUB/NON_REM1: length 3.1
  Top signal w0.15: U11.22 44.09,29.14 44.58,28.65 R13.1
/USB_HUB/OCS_N1: length 27.1
  Top signal w0.15: v2(19.88,16) 18.92,16 U9.3 ; v2(39.74,24.01) 39.93,24.19 39.93,26.64 40,26.71
  Bottom signal w0.15: v2(39.74,24.01) 39.29,23.56 30.2,23.56 22.65,16 v2(19.88,16)
/USB_HUB/OCS_N2: length 14.1
  Top signal w0.15: U10.3 35.99,17.14 v2(36.74,17.14) ; 42,26.71 42,26.22 43.67,24.55 v2(43.67,24.12)
  Bottom signal w0.15: v2(36.74,17.14) 43.67,24.07 v2(43.67,24.12)
/USB_HUB/PLLFILT: length 4.5
  Top signal w0.15: U11.34 39.5,33.59 v2(38.98,34.11)
  Bottom signal w0.25: v2(38.98,34.11) 38.98,33.83 C54.1 C56.1
/USB_HUB/PRTPWR1: length 27
  Top signal w0.15: v2(17.88,18.65) 18.75,18.65 U9.4 ; 39.5,26.71 39.5,24.86 v2(38.73,24.08)
  Bottom signal w0.15: v2(17.88,18.65) 19.17,18.65 24.6,24.08 v2(38.73,24.08)
/USB_HUB/PRTPWR2: length 14.1
  Top signal w0.15: 41.5,26.04 41.5,26.71 41.5,26.04 42.5,25.04 v2(42.5,24.1) ; U10.4 34.98,19.91 v2(34.88,19.8)
  Bottom signal w0.15: v2(42.5,24.1) 38.21,19.8 v2(34.88,19.8)
/USB_HUB/RBIAS: length 2.5
  Top signal w0.15: 37.6,34.5 39,33.1 U11.35
/USB_HUB/USB1_N: length 37.4
  Top signal w0.15: J5.2 20.22,9.85 U7.4 ; U11.1 36.86,31.64 36.81,31.59 33.03,31.59 32.53,32.09 27.57,32.09 24.45,28.96 24.45,17.88 23.57,17.01 21.59,17.01 20.97,16.38 20.97,15.62 20.22,14.87 U7.3 ; 20.28,12 19.39,12.89 19.39,13.62 20.28,14.51
/USB_HUB/USB1_P: length 37.3
  Top signal w0.15: U7.6 22.12,9.95 J5.3 ; 22.18,14.46 23.07,13.56 23.07,12.84 22.18,11.95 ; U7.1 22.12,14.87 21.37,15.62 21.37,16.22 21.76,16.61 23.74,16.61 24.85,17.72 24.85,21.64 arc(24.9,21.78) 25.04,21.83 arc(25.18,21.89) 25.24,22.03 25.24,22.24 arc(25.18,22.38) 25.04,22.43 arc(24.9,22.49) 24.85,22.63 24.85,28.79 27.74,31.69 32.37,31.69 32.87,31.19 36.81,31.19 36.86,31.14 U11.2
